# Altium PCB PCB1.PcbDoc
Units mil, origin at the board's own origin, x right, y up, seen from the top; angles counter-clockwise.
Board outline 3947.44 x 2963.17 mil, 2 copper layers (Top Layer, Bottom Layer); 30 components, 39 nets, 144 pads, 8 vias.
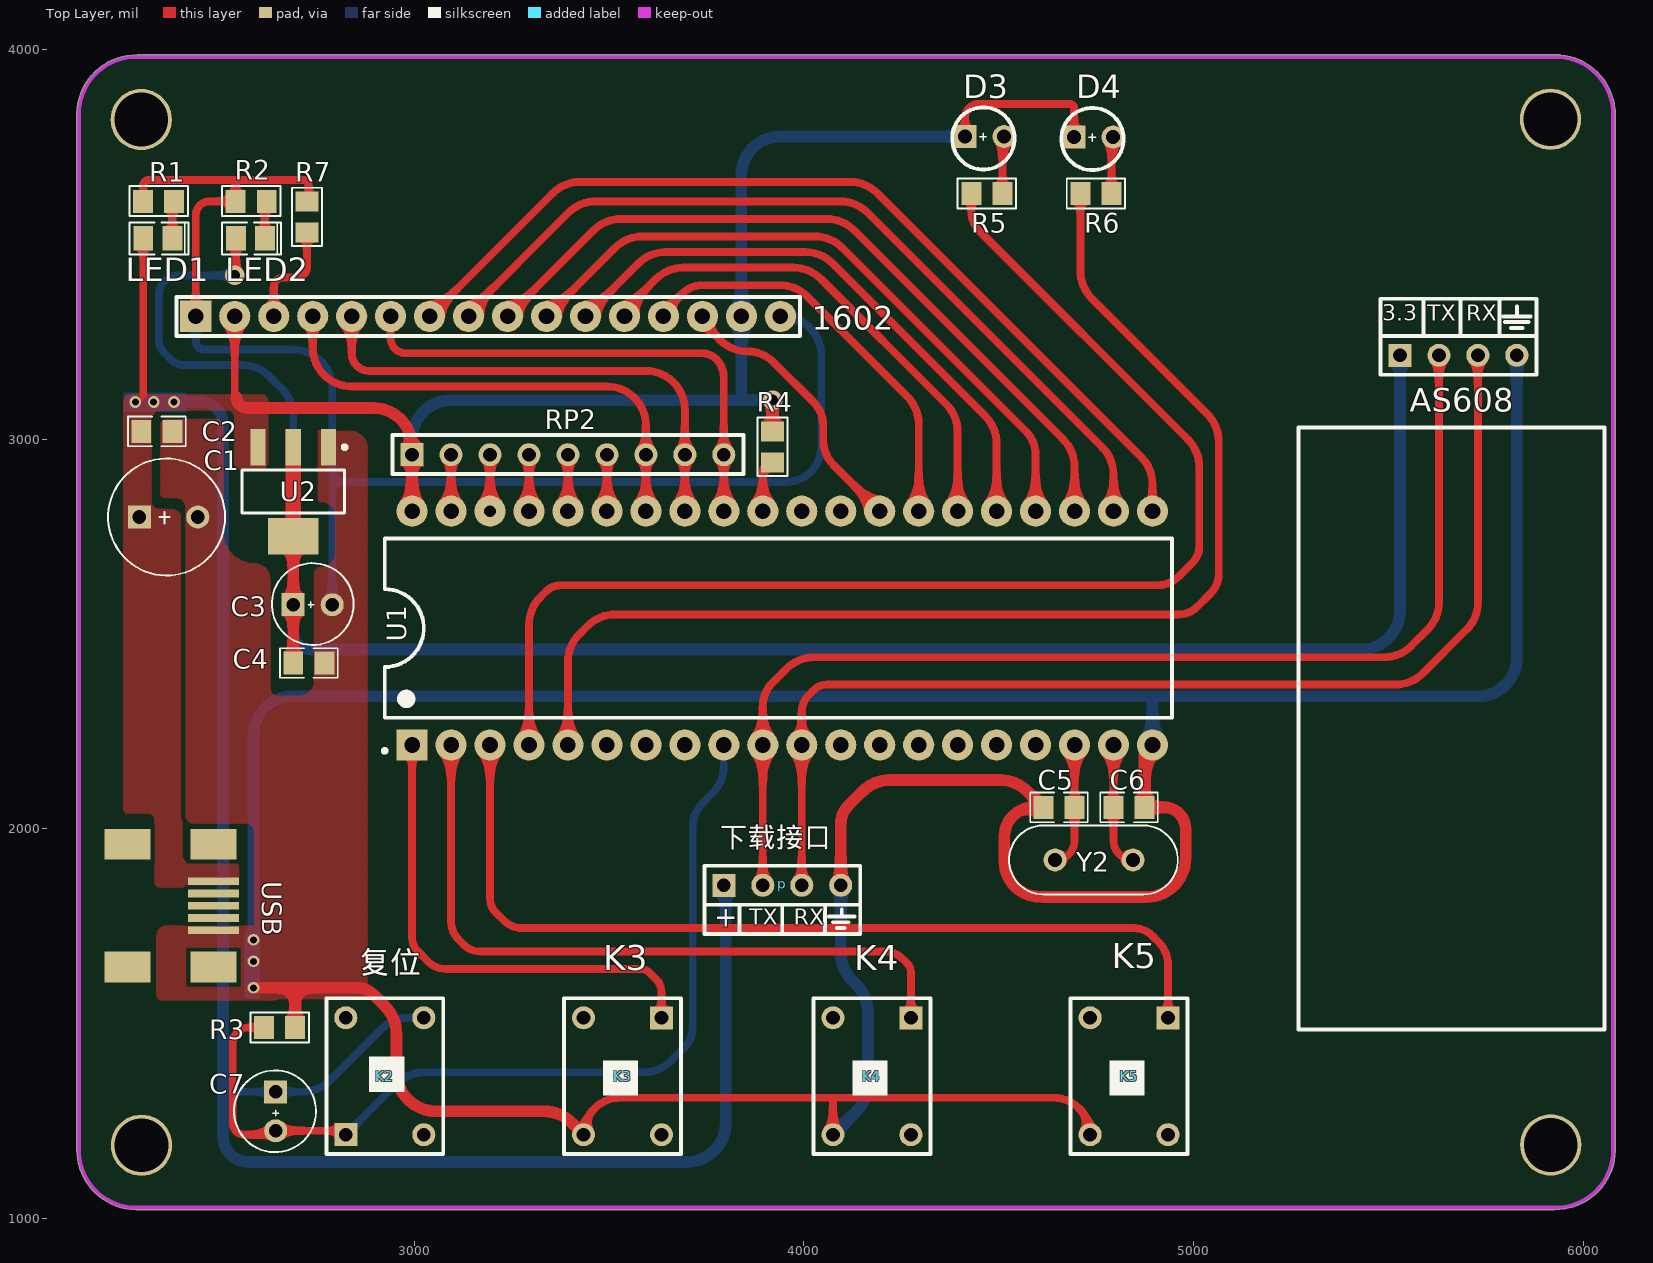
[diagram p0: Top Layer view]
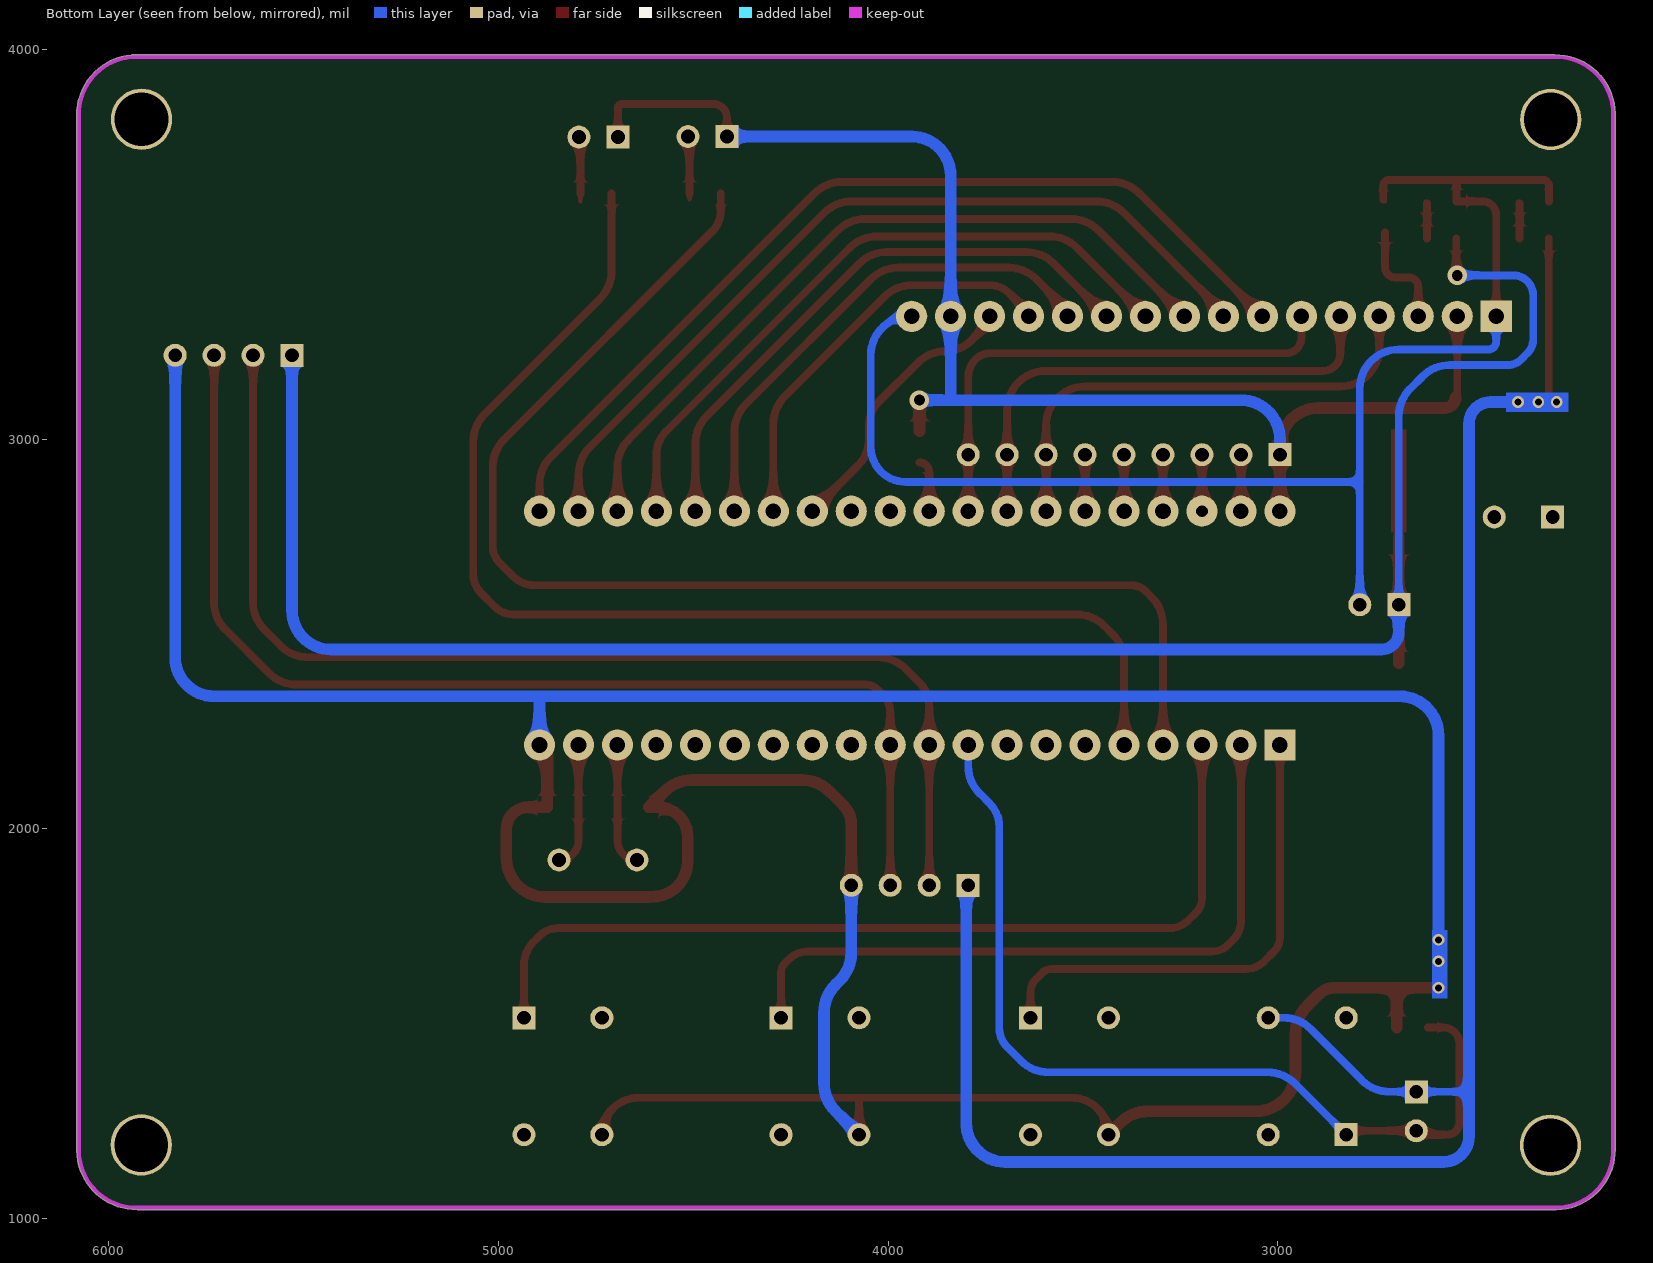
[diagram p1: Bottom Layer view, seen from below]
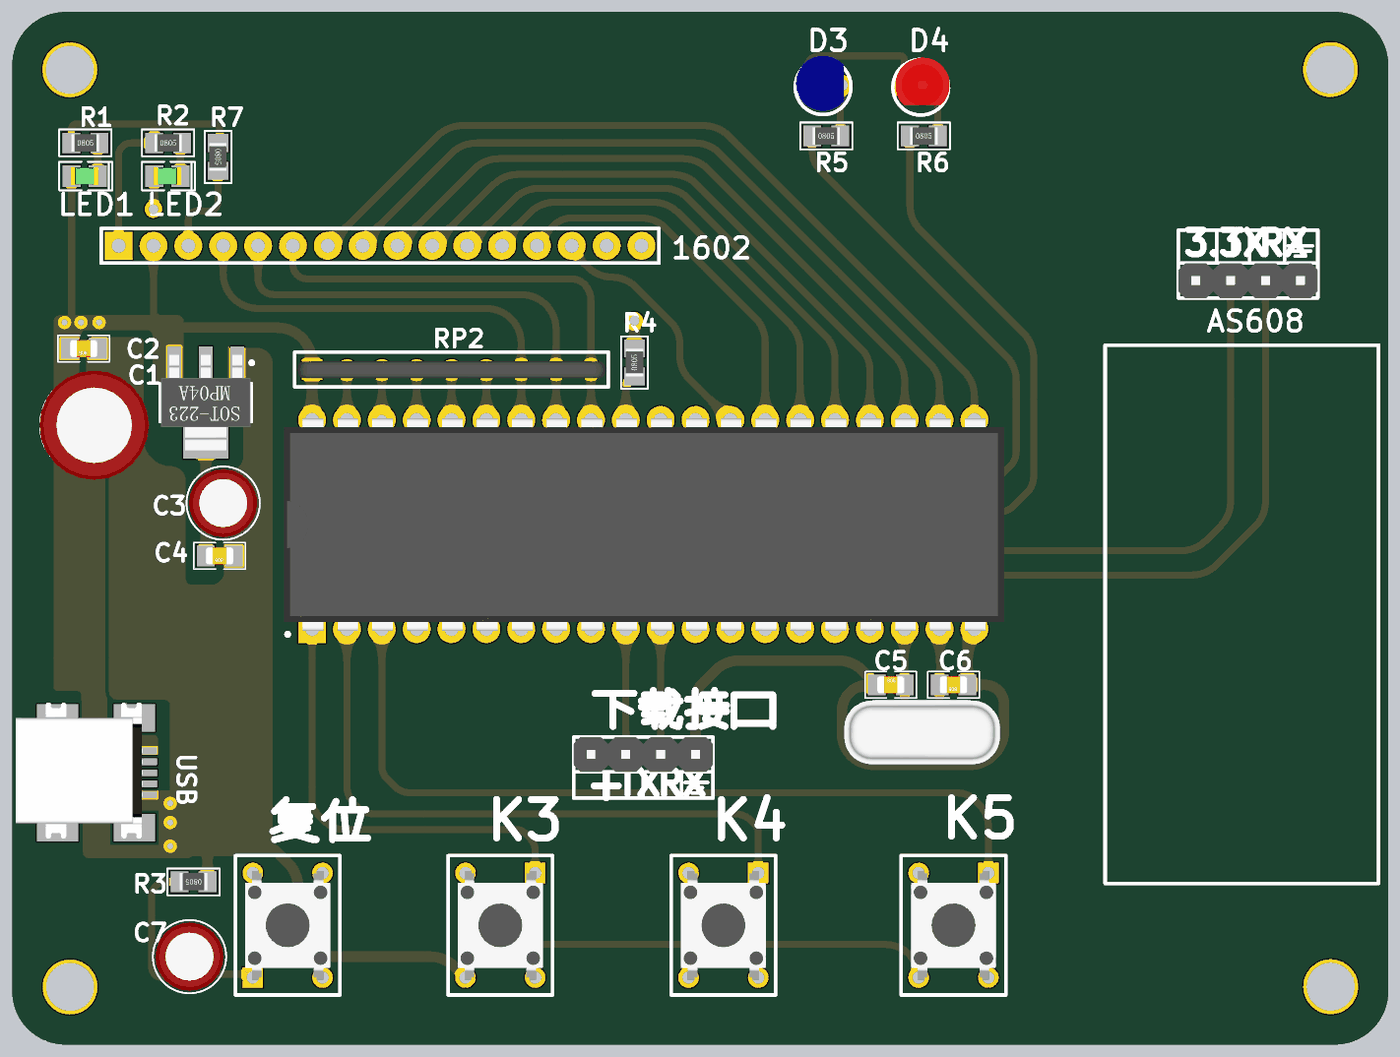
[diagram p2: 3D render of the assembled board from above, using the file's embedded part models]

## Layer stack, top to bottom
Top Solder: solder mask 0.4, Solder Resist, Dk 3.5
Top Layer: signal copper 1.4
Dielectric 1: dielectric 12.6, FR-4, Dk 4.8
Bottom Layer: signal copper 1.4
Bottom Solder: solder mask 0.4, Solder Resist, Dk 3.5

## Board outline
2285.67,1022.78 ccw(c2285.74,1027.8) 2287.13,1022.98 5925.62,1022.98 ccw(c5927,1027.8) 5926.93,1022.78 ccw(c5929.13,1175.87) 6082.22,1173.66 ccw(c6077.2,1173.74) 6082.22,1173.74 ccw(c6077.2,1173.74) 6082.02,1175.12 6082.02,3829.36 ccw(c6077.2,3830.74) 6082.22,3830.67 ccw(c5929.13,3832.87) 6082.23,3832.87 ccw(c5929.13,3832.87) 6082.02,3840.88 6082.02,3845 ccw(c6077.01,3845) 6081.57,3847.08 ccw(c5929.13,3832.87) 5941.74,3985.45 ccw(c5940,3980.75) 5940,3985.76 5937.14,3985.76 ccw(c5929.13,3832.87) 5931.34,3985.96 ccw(c5931.26,3980.94) 5929.88,3985.76 2291.39,3985.76 ccw(c2290,3980.94) 2290.08,3985.96 ccw(c2287.87,3832.87) 2134.79,3835.08 ccw(c2139.81,3835) 2134.99,3833.62 2134.99,1179.38 ccw(c2139.81,1178) 2134.79,1178.07 ccw(c2287.87,1175.87)

## Design rules (kind name [scope] priority, off if disabled: settings)
Clearance [All] p1: gap=10
PlaneConnect [All] p1: planeconnectstyle=Direct reliefexpansion=20 reliefentries=4 reliefconductorwidth=10 reliefairgap=10
PolygonConnect [All] p1: connectstyle=Direct reliefconductorwidth=10 reliefentries=4 polygonreliefangle="90 Angle" airgapwidth=10
RoutingVias [All] p1: holewidth=28 width=50 viastyle="Through Hole" minholewidth=28 minwidth=50 maxholewidth=28 maxwidth=50
SolderMaskExpansion [All] p1: expansion=4
Width [All] p1: maxlimit=30 minlimit=4 preferedwidth=20
29 further rules are at their usual default settings.

## Components (designator, comment, footprint, x,y, rotation, side; value= is the part's Value field where it differs from the comment)
1602 "H16X1" H2.54-1X16 2990,3315 r0 top
AS608 "H4X1" H2.54-1X4 5680,3215 r0 top (schematic designator FPM10A)
C1 "220uF/35V" "CAP POL [25V]" 2370,2800 r0 top
C2 "Cap" CAP[0805] 2340,3020 r180 top
C3 "Cap Pol" "CAP POL [16V]"#1 2740,2575 r0 top
C4 "Cap" CAP[0805] 2730,2425 r180 top
C5 "Cap" CAP[0805] 4655,2055 r0 top
C6 "Cap" CAP[0805] 4835,2055 r180 top
C7 "Cap" "CAP POL [16V]"#2 2645,1275 r90 top
D3 "LED_BLUE" LED_BLUE 4463.97,3776.33 r0 top
D4 "LED_RED" LED_RED 4740.97,3775 r0 top
K2 "KEY-4" KEY-4 2925,1365 r90 top
K3 "KEY-4" KEY-4 3535,1365 r270 top
K4 "KEY-4" KEY-4 4175,1365 r270 top
K5 "KEY-4" KEY-4 4835,1365 r270 top
LED1 "LED_RED" LED[0805] 2342.6,3515 r180 top
LED2 "LED_RED" LED[0805] 2580,3515 r180 top
p "H4X1" H2.54-1X4 3945,1855 r0 top (schematic designator P2)
R1 "Res1" RES[0805] 2344.6,3610 r0 top
R2 "Res1" RES[0805] 2582,3610 r0 top
R3 "Res2" RES[0805] 2655,1490 r180 top
R4 "Res1" RES[0805] 3920,2980 r90 top
R5 "Res2" RES[0805] 4470,3630 r0 top
R6 "Res2" RES[0805] 4750,3630 r0 top
R7 "Res2" RES[0805] 2725,3570 r270 top
RP2 "" RES-PACK 3395,2960 r0 top
U1 "STC89C52RC" STC89C52RC 3945,2515 r90 top
U2 "AMS1117-3.3" SOT-223(AMS1117-3.3) 2690,2865 r180 top
USB "USB_micro" "USB B mini 5pin" 2485.47,1645.04 r270 top (schematic designator P1)
Y2 "XTAL 12M" XTAL 4745,1920 r180 top

## Footprints (in the part's own frame and the unit in brackets; to place one, negate y for a bottom-side part, rotate by r counter-clockwise, add the part's x,y. Pads: shape width x height; smd on the part's side, far side on the other; paste and mask are expansions set on the pad)
"CAP POL [16V]"#1 [mm]
  rect 1.5x1.5 hole 0.9: 1(-1.27,0)
  round 1.5 hole 0.9: 2(1.27,0)
  silkscreen extent -2.66,-2.63 2.67,2.71, body extent -2.49,-2.46 2.49,2.54, height 11
"CAP POL [16V]"#2 [mm]
  round 1.5 hole 0.9: 1(-1.27,0)
  rect 1.5x1.5 hole 0.9: 2(1.27,0)
  silkscreen extent -2.67,-2.63 2.67,2.7, body extent -2.49,-2.46 2.49,2.54, height 11
"CAP POL [25V]" [mm]
  rect 1.5x1.5 hole 0.9: 1(-1.905,0)
  round 1.5 hole 0.9: 2(1.905,0)
  silkscreen extent -3.93,-3.81 3.68,3.81, body extent -4,-4 4,4, height 12
CAP[0805] [mm]
  rect 1.3x1.5 smd: 1(-1.016,0) 2(1.016,0)
  silkscreen extent -1.88,-0.97 1.88,0.97, body extent -1,-0.62 1,0.63, height 0.78
H2.54-1X4 [mm]
  rect 1.5x1.5 hole 0.9: 1(-3.81,0)
  round 1.5 hole 0.9: 2(-1.27,0) 3(1.27,0) 4(3.81,0)
  silkscreen extent -5.08,-1.27 5.08,1.27, body extent -5.08,-1.27 5.08,1.27, height 8.54
H2.54-1X16 [mil]
  rect 80x80 hole 40: 1(-550,0)
  round 80 hole 40: 2(-450,0) 3(-350,0) 4(-250,0) 5(-150,0) 6(-50,0) 7(50,0) 8(150,0) 9(250,0) 10(350,0) 11(450,0) 12(550,0) 13(650,0) 14(750,0) 15(850,0) 16(950,0)
  silkscreen extent -600,-50 1000,50
KEY-4 [mm]
  rect 1.5x1.5 hole 0.9: 1(-3.81,2.54)
  round 1.5 hole 0.9: 2(3.81,2.54) 3(3.81,-2.54) 4(-3.81,-2.54)
  silkscreen extent -5.08,-3.81 5.08,3.81, body extent -3.96,-3.1 3.96,3.1, height 5.27
LED[0805] [mm]
  rect 1.3x1.6 smd: 1(0.95,0) 2(-0.95,0)
  silkscreen extent -2.01,-1.04 1.85,1.04, body extent -1.02,-0.63 1.02,0.63, height 1.1
LED_BLUE [mm]
  rect 1.5x1.5 hole 0.9: 1(-1.27,0)
  round 1.5 hole 0.9: 2(1.27,0)
  silkscreen extent -2.11,-2.16 1.95,1.9, body extent -2.08,-1.87 1.44,2.13, height 5.2
LED_RED [mm]
  rect 1.5x1.5 hole 0.9: 1(-1.194,0)
  round 1.5 hole 0.9: 2(1.346,0)
  silkscreen extent -2.03,-2.16 2.03,1.9, body extent -1.87,-1.46 2.12,2.03, height 5.38
RES-PACK [mm]
  rect 1.5x1.5 hole 0.9: 1(-10.16,0)
  round 1.5 hole 0.9: 2(-7.62,0) 3(-5.08,0) 4(-2.54,0) 5(0,0) 6(2.54,0) 7(5.08,0) 8(7.62,0) 9(10.16,0)
  silkscreen extent -11.43,-1.27 11.43,1.27, body extent -11.25,-0.64 11.25,0.61, height 5.3
RES[0805] [mm]
  rect 1.3x1.5 smd: 1(-1.016,0) 2(1.016,0)
  silkscreen extent -1.91,-0.97 1.91,0.99, body extent -1,-0.63 1,0.63, height 0.55
SOT-223(AMS1117-3.3) [mm]
  rect 1x2.4 smd: 1(-2.3,-2.9) 2(0,-2.9) 3(2.3,-2.9)
  rect 3.3x2.4 smd: 4(0,2.9)
  silkscreen extent -3.48,-3.02 3.35,1.4, body extent -3.25,-3.48 3.25,3.48, height 1.7
STC89C52RC [mil]
  rect 80x80 hole 40: 1(-300,950)
  round 80 hole 40: 2(-300,850) 3(-300,750) 4(-300,650) 5(-300,550) 6(-300,450) 7(-300,350) 8(-300,250) 9(-300,150) 10(-300,50) 11(-300,-50) 12(-300,-150) 13(-300,-250) 14(-300,-350) 15(-300,-450) 16(-300,-550) 17(-300,-650) 18(-300,-750) 19(-300,-850) 20(-300,-950) 21(300,-950) 22(300,-850) 23(300,-750) 24(300,-650) 25(300,-550) 26(300,-450) 27(300,-350) 28(300,-250) 29(300,-150) 30(300,-50) 31(300,50) 32(300,150) 33(300,250) 34(300,350) 35(300,450) 36(300,550) 37(300,650) 39(300,850) 40(300,950)
  round 80 hole 30: 38(300,750)
  silkscreen extent -320,-1000 230,1025, body extent -305,-1035 305,1030, height 224
"USB B mini 5pin" [mm]
  rect 0.5x3.3 smd: 1(-5.6,0) 2(-4.8,0) 3(-4,0) 4(-3.2,0) 5(-2.4,0)
  rect 2x3 smd: 6(-8,0) 7(0,0) 8(-8,-5.6) 8(0,-5.6)
  body extent -9.12,-8.66 0.78,0.59, height 3.93
XTAL [mm]
  round 1.5 hole 0.9: 1(-2.54,0) 2(2.54,0)
  silkscreen extent -5.46,-2.25 5.54,2.25, body extent -5.68,-2.29 5.67,2.36, height 5.53

## Part data
C1: library part "Cap Pol [220uF/35V]"
C7: "Capacitor"
D4 LED1 LED2: "LED1"
K2 K3 K4 K5: "4脚直插"
R3: "Resistor"
RP2: library part Res-Pack, "Res-Pack"
Y2: library part XTAL, "XTAL"

## Free pads (board coordinates)
  round 157.48 hole 137.8: 0(2300,3820) 0(2300.75,1187.99) 0(5916.26,3820.75) 0(5917.01,1188.74)

## Via types
v1: diameter 30, hole 18, Top Layer to Bottom Layer, 6 vias
v2: diameter 50, hole 28, Top Layer to Bottom Layer, 2 vias

## Nets (pads, with @x,y where several pads share a name; then routed paths per layer and width w, separated by ;. In a path a pad name is that pad's centre, name@x,y a point inside that pad or via, vN(x,y) a via of type N, cw(c..) or ccw(c..) an arc to the next point about the centre after c; other vN are vias at no path point)
3.3V: AS608.1 C3.1 C4.2 LED2.1 U2.2 U2.4 | length 5340.6
  Top Layer w20: v2(2540,3420) 2542.6,3422.6 LED2.1
  Top Layer w30: C4.2 C3.1 U2.4
  Bottom Layer w20: v2(2540,3420) 2396.21,3420 ccw(c2396.21,3368.79) 2360.01,3405.01 ccw(c2396.21,3368.79) 2345,3368.79 2345,3256.21 ccw(c2396.21,3256.21) 2359.99,3220.01 2375,3205 ccw(c2411.21,3241.21) 2411.21,3190 2558.58,3190 cw(c2558.58,3090) 2629.29,3160.71 2660.71,3129.29 cw(c2590,3058.58) 2690,3058.58 C3.1
  Bottom Layer w30: C3.1 2690,2505 ccw(c2735,2505) 2735,2460 5430,2460 ccw(c5430,2560) 5530,2560 AS608.1
5V: 1602.2 1602.15 C1.1 C2.2 C7.2 D3.1 D4.1 K2.3 LED1.1 p.1 R4.2 RP2.1 U1.40 U2.3 USB.1 | length 8653.5
  Top Layer w10: v1(2285,3095) ccw(c2285,3115.2) 2305.2,3115.2
  Top Layer w20: 2305.2,3115.2 LED1.1 ; 2540,3100 1602.2 ; D3.1 4413.97,3823.97 cw(c4450,3823.97) 4450,3860 4682.94,3860 cw(c4682.94,3848.97) 4693.97,3848.97 D4.1
  Top Layer w30: 2544,3108 ccw(c2572,3108) 2572,3080 2895,3080 cw(c2895,2980) 2995,2980 RP2.1 U1.40 ; v2@3915,3105 cw(c3915,3100) v2(3920,3100) R4.2
  Bottom Layer w20: 2510,1325 C7.2 2713.58,1325 ccw(c2713.58,1425) 2784.29,1354.29 2916.72,1486.72 cw(c2985,1418.43) 2985,1515 K2.3 ; p.1 cw(c3795,1850) p.1@3800,1850
  Bottom Layer w30: v1(2384,3095) 2454.09,3095 cw(c2454.09,3039.09) 2510,3039.09 2510,1325 2510,1210 ccw(c2575,1210) 2575,1145 3700,1145 ccw(c3700,1245) 3800,1245 p.1@3800,1850 ; RP2.1 2995,3000 cw(c3095,3000) 3095,3100 3835,3100 ; v2(3920,3100) 3835,3100 ; D3.1 3940,3776.33 ccw(c3940,3676.33) 3840,3676.33 1602.15 3840,3105 cw(c3835,3105) 3835,3100
  other v1: 2332,3095
BEEP: U1.6
BLUE: R5.1 U1.4 | length 3278.4
  Top Layer w20: U1.4 3295,2523.58 cw(c3395,2523.58) 3324.29,2594.29 3339.64,2609.64 cw(c3376.72,2572.57) 3376.72,2625 4908.18,2625 ccw(c4908.18,2701.82) 4962.49,2647.49 4997.5,2682.5 ; R5.1 4430,3585 ccw(c4502.43,3585) 4451.21,3533.79 4985.71,2999.29 cw(c4915,2928.58) 5015,2928.58 5015,2724.75 cw(c4955.25,2724.75) 4997.53,2682.53
GND: 1602.1 1602.16 AS608.4 C1.2 C2.1 C3.2 C4.1 C5.1 C6.1 K3.3 K4.3 K5.3 p.4 R1.1 R2.1 R3.1 R7.1 U1.20 U2.1 USB.5 | length 13800.9
  Top Layer w10: 2540,3665 cw(c2540,3663) 2542,3663 ; R7.1 ccw(c2725,3615) R7.1@2730,3615
  Top Layer w20: R1.1 2304.6,3649.6 cw(c2320,3649.6) 2320,3665 2540,3665 2715,3665 cw(c2715,3650) 2730,3650 R7.1@2730,3615 ; 1602.1 2440,3575 cw(c2475,3575) 2475,3610 R2.1 2542,3663 ; K3.3 cw(c3530,1215) 3530,1310 4070,1310 ; K4.3 4075,1305 ccw(c4070,1305) 4070,1310 ; 4605.58,1825.49 ccw(c4615,1915) 4615,1825 ; K5.3 ccw(c4640,1215) 4640,1310 4070,1310
  Top Layer w30: v1(2588,1592) 2695,1592 ; R3.1 2695,1592 ; K3.3 3404.29,1245.71 ccw(c3333.58,1175) 3333.58,1275 3056.42,1275 cw(c3056.42,1375) 2985.71,1304.29 2984.29,1305.71 cw(c3055,1376.42) 2955,1376.42 2955,1473.58 ccw(c2855,1473.58) 2925.71,1544.29 2895,1575 ccw(c2853.96,1533.96) 2853.96,1592 2695,1592 ; p.4 4095,2011.72 cw(c4163.28,2011.72) 4115,2060 4150.71,2095.71 cw(c4221.42,2025) 4221.42,2125 4503.58,2125 cw(c4503.58,2025) 4574.29,2095.71 C5.1 4590,2055 ccw(c4590,1980) 4515,1980 4515,1916.07 ccw(c4605.58,1916.07) 4605.58,1825.49 ; 4615,1825 4880,1825 ccw(c4880,1925) 4980,1925 4980,2000 ccw(c4925,2000) 4925,2055 C6.1 4875,2195 cw(c4895,2195) U1.20
  Bottom Layer w20: 1602.1 2440,3250 ccw(c2460,3250) 2460,3230 2690,3230 cw(c2690,3130) 2790,3130 2790,2890 ; C3.2 2790,2890 ; 1602.16 3945,3315 cw(c3945,3215) 4045,3215 4045,2980 cw(c3955,2980) 3955,2890 2790,2890
  Bottom Layer w30: v1(2588,1715) 2588,2240 cw(c2688,2240) 2688,2340 4890,2340 ; K4.3 4135.71,1275.71 ccw(c4065,1346.42) 4165,1346.42 4165,1528.58 ccw(c4065,1528.58) 4135.71,1599.29 4124.29,1610.71 cw(c4195,1681.42) 4095,1681.42 p.4 ; U1.20 4895,2335 ccw(c4890,2335) 4890,2340 ; AS608.4 5830,2440 cw(c5730,2440) 5730,2340 4890,2340
  other v1: 2588,1660
Net1602_3: 1602.3 R7.2 | length 278.5
  Top Layer w20: 1602.3 2640,3390 cw(c2665,3390) 2665,3415 2700,3415 ccw(c2700,3440) 2725,3440 R7.2
NetD3_2: D3.2 R5.2 | length 163.6
  Top Layer w10: R5.2@4510,3615 R5.2 ; D3.2@4510,3772.36 cw(c4513.97,3772.36) D3.2
  Top Layer w20: R5.2 D3.2@4510,3772.36
NetD4_2: D4.2 R6.2 | length 167.3
  Top Layer w10: R6.2@4790,3610 R6.2 ; D4.2@4790,3771.03 cw(c4793.97,3771.03) D4.2
  Top Layer w20: R6.2 D4.2@4790,3771.03
NetLED1_2: LED1.2 R1.2 | length 97.6
  Top Layer w10: R1.2@2380,3605.4 cw(c2384.6,3605.4) R1.2
  Top Layer w20: LED1.2 R1.2@2380,3605.4
NetLED2_2: LED2.2 R2.2 | length 97.6
  Top Layer w10: R2.2@2617.4,3605.4 cw(c2622,3605.4) R2.2
  Top Layer w20: LED2.2 R2.2@2617.4,3605.4
NetLS1_1: 
NetP1_1: 
NetQ1_2: 
NetR4_1: R4.1 U1.31 | length 139.3
  Top Layer w20: U1.31 3895,2915 cw(c3920,2915) R4.1
NetRP2_2: RP2.2 U1.39 | length 145
  Top Layer w20: U1.39 RP2.2
NetRP2_3: RP2.3 U1.38 | length 145
  Top Layer w20: U1.38 RP2.3
NetRP2_4: RP2.4 U1.37 | length 145
  Top Layer w20: U1.37 RP2.4
NetRP2_5: RP2.5 U1.36 | length 145
  Top Layer w20: U1.36 RP2.5
NetRP2_6: RP2.6 U1.35 | length 145
  Top Layer w20: U1.35 RP2.6
"P05         4": 1602.4 RP2.7 U1.34 | length 1269.2
  Top Layer w20: 1602.4 2740,3235 ccw(c2840,3235) 2840,3135 3495,3135 cw(c3495,3035) 3595,3035 RP2.7 U1.34
"P06         5": 1602.5 RP2.8 U1.33 | length 1292.8
  Top Layer w20: 1602.5 2840,3220 ccw(c2885,3220) 2885,3175 3595,3175 cw(c3595,3075) 3695,3075 RP2.8 U1.33
"P07         6": 1602.6 RP2.9 U1.32 | length 1312.7
  Top Layer w20: 1602.6 2940,3260 ccw(c2980,3260) 2980,3220 3740,3220 cw(c3740,3170) 3775.36,3205.36 cw(c3727.93,3157.93) 3795,3157.93 RP2.9 U1.32
P10: K3.1 U1.1 | length 1272.7
  Top Layer w20: U1.1 2995,1721.21 ccw(c3046.21,1721.21) 3009.99,1685.01 3035,1660 ccw(c3083.28,1708.28) 3083.28,1640 3580.86,1640 cw(c3580.86,1605.86) 3604.98,1630.02 3620.86,1614.14 ; 3620.88,1614.12 cw(c3586.72,1580) 3635,1580 K3.1
P11: K4.1 U1.2 | length 1817.3
  Top Layer w20: U1.2 3095,1763.28 ccw(c3163.28,1763.28) 3115,1715 3127.32,1702.68 ccw(c3170,1745.36) 3170,1685 4206.72,1685 cw(c4206.72,1616.72) 4255,1665 4265,1655 cw(c4240.86,1630.86) 4275,1630.86 K4.1
P12: K5.1 U1.3 | length 2360.9
  Top Layer w20: U1.3 3195,1821.21 ccw(c3246.21,1821.21) 3209.99,1785.01 3230,1765 ccw(c3278.28,1813.28) 3278.28,1745 4846.72,1745 cw(c4846.72,1676.72) 4895,1725 4910,1710 cw(c4849.64,1649.64) 4910.04,1709.96 cw(c4849.64,1649.64) 4935,1649.64 K5.1
"P20         7": 1602.7 U1.21 | length 2399.4
  Top Layer w20: 1602.7 3355.71,3630.71 cw(c3426.42,3560) 3426.42,3660 4118.58,3660 cw(c4118.58,3560) 4189.29,3630.71 4865.71,2954.29 cw(c4795,2883.58) 4895,2883.58 U1.21
"P21         8": 1602.8 U1.22 | length 2178.5
  Top Layer w20: 1602.8 3140,3325 3395.71,3580.71 cw(c3466.42,3510) 3466.42,3610 4093.58,3610 cw(c4093.58,3510) 4164.29,3580.71 4765.71,2979.29 cw(c4695,2908.58) 4795,2908.58 U1.22
"P22         9": 1602.9 U1.23 | length 1947.1
  Top Layer w20: 1602.9 3460.71,3535.71 cw(c3531.42,3465) 3531.42,3565 4058.58,3565 cw(c4058.58,3465) 4129.29,3535.71 4665.71,2999.29 cw(c4595,2928.58) 4695,2928.58 U1.23
"P23        10": 1602.10 U1.24 | length 1725.1
  Top Layer w20: 1602.10 3515.71,3490.71 cw(c3586.42,3420) 3586.42,3520 4028.58,3520 cw(c4028.58,3420) 4099.29,3490.71 4570,3020 cw(c4509.64,2959.64) 4570.04,3019.96 cw(c4509.64,2959.64) 4595,2959.64 U1.24
"P24        11": 1602.11 U1.25 | length 1511.8
  Top Layer w20: 1602.11 3575.71,3450.71 cw(c3646.42,3380) 3646.42,3480 4003.58,3480 cw(c4003.58,3380) 4074.29,3450.71 4465.71,3059.29 cw(c4395,2988.58) 4495,2988.58 U1.25
"P25         12": 1602.12 U1.26 | length 1305.1
  Top Layer w20: 1602.12 3540,3330 3620.71,3410.71 cw(c3691.42,3340) 3691.42,3440 3973.58,3440 cw(c3973.58,3340) 4044.29,3410.71 4365.71,3089.29 cw(c4295,3018.58) 4395,3018.58 U1.26
"P26        13": 1602.13 U1.27 | length 1077.7
  Top Layer w20: 1602.13 3640,3325 3688.79,3373.79 cw(c3740,3322.57) 3740,3395 3938.58,3395 cw(c3938.58,3295) 4009.29,3365.71 4265.71,3109.29 cw(c4195,3038.58) 4295,3038.58 U1.27
"P27        14": 1602.14 U1.28 | length 719.5
  Top Layer w20: 1602.14 3740,3300 3786.72,3253.28 ccw(c3855,3321.57) 3855,3225 cw(c3855,3128.43) 3923.28,3196.72 4025,3095 cw(c3964.64,3034.64) 4025.04,3094.96 cw(c3964.64,3034.64) 4050,3034.64 4050,2997.32 ccw(c4140.1,2997.32) 4076.39,2933.61 U1.28
RED: R6.1 U1.5 | length 3118.3
  Top Layer w20: U1.5 3395,2430 cw(c3491.57,2430) 3423.28,2498.28 3445.71,2520.71 cw(c3516.42,2450) 3516.42,2550 4961.72,2550 ccw(c4961.72,2618.28) 5010,2570 5045,2605 ccw(c4996.72,2653.28) 5065,2653.28 5065,2993.58 ccw(c4965,2993.58) 5035.71,3064.29 4739.29,3360.71 cw(c4810,3431.42) 4710,3431.42 R6.1
RST: C7.1 K2.1 R3.2 U1.9 | length 2386.5
  Top Layer w20: R3.2 2575,1490 ccw(c2575,1450) 2535,1450 2535,1245 ccw(c2565,1245) 2565,1215 2635,1215 ccw(c2635,1225) C7.1 2815,1225 cw(c2815,1215) K2.1
  Bottom Layer w20: K2.1 2955.71,1345.71 cw(c3026.42,1275) 3026.42,1375 3588.58,1375 ccw(c3588.58,1475) 3659.29,1404.29 3695,1440 ccw(c3646.72,1488.28) 3715,1488.28 3715,2005 cw(c3799.5,2005) 3739.72,2064.72 ; 3739.75,2064.75 3765.71,2090.71 ccw(c3695,2161.42) 3795,2161.42 U1.9
RX: AS608.2 p.2 U1.10 | length 2967.2
  Top Layer w20: p.2 U1.10 3895,2315 cw(c3979.5,2315) 3919.72,2374.72 ; 3919.75,2374.75 3955.71,2410.71 cw(c4026.42,2340) 4026.42,2440 5488.58,2440 ccw(c5488.58,2540) 5559.29,2469.29 5600.71,2510.71 ccw(c5530,2581.42) 5630,2581.42 AS608.2
TX: AS608.3 p.3 U1.11 | length 2956
  Top Layer w20: p.3 U1.11 3995,2300 cw(c4055.36,2300) 4012.68,2342.68 4026.34,2356.34 cw(c4059.32,2323.36) 4059.32,2370 5518.58,2370 ccw(c5518.58,2470) 5589.29,2399.29 5701.72,2511.72 ccw(c5633.43,2580) 5730,2580 AS608.3
X1: C5.2 U1.18 Y2.2 | length 323.5
  Top Layer w20: Y2.2 ccw(c4645,1970) 4695,1970 C5.2 U1.18
X2: C6.2 U1.19 Y2.1 | length 323.5
  Top Layer w20: U1.19 C6.2 4795,1970 ccw(c4845,1970) Y2.1
pads on no net: K2.2 K2.4 K3.2 K3.4 K4.2 K4.4 K5.2 K5.4 U1.7 U1.8 U1.12 U1.13 U1.14 U1.15 U1.16 U1.17 U1.29 U1.30 USB.2 USB.3 USB.4 USB.6 USB.7 USB.8

## Polygon pours and split planes (outlines as drawn)
5V on Top Layer "Top Layer-No Net 1" (hatched 90Degree grid 4 track 5, remove dead copper, pour order 18): 2540,2980 2540,2941 ccw(c2556,2941) 2556,2925 2609.36,2925 ccw(c2609.36,2940) 2624.36,2940 2624.36,3097.32 ccw(c2608,3097.32) 2608,3113.69 2272.69,3113.69 ccw(c2272.69,3097) 2256,3097 2256,2049 ccw(c2265,2049) 2265,2040 2320,2040 cw(c2320,2025) 2335,2025 2335,1865 ccw(c2350,1865) 2350,1850 2545,1850 ccw(c2545,1855) 2550,1855 2550,1900 ccw(c2540,1900) 2540,1910 2470,1910 2425,1910 cw(c2425,1930) 2405,1930 2405,2788.23 ccw(c2373.23,2788.23) 2373.23,2820 2345,2820 cw(c2345,2840) 2325,2840 2325,3056.86 cw(c2332.14,3056.86) 2332.14,3064 cw(c2343.14,3064) 2343.14,3075 2508,3075 2521,3075 cw(c2521,3056) 2540,3056
GND on Top Layer "Top Layer-No Net 1" (hatched 90Degree grid 4 track 5, remove dead copper, pour order 12): 2495,3050 2365,3050 ccw(c2365,3035) 2350,3035 2350,2860 ccw(c2360,2860) 2360,2850 2390,2850 cw(c2390,2825) 2415,2825 2415,2035 ccw(c2435,2035) 2435,2015 2570,2015 cw(c2570,1995) 2590,1995 2590,1749 cw(c2565,1749) 2565,1724 ccw(c2565,1719) 2560,1719 2560,1572 ccw(c2572,1572) 2572,1560 2600,1560 2635,1560 ccw(c2635,1585) 2660,1585 2660,2150 cw(c2730,2150) 2730,2220 2835,2220 ccw(c2835,2265) 2880,2265 2880,2975 ccw(c2835,2975) 2835,3020 2760,3020 cw(c2760,3025) 2755,3025 2755,2845 ccw(c2760,2845) 2760,2840 cw(c2760,2800) 2800,2800 2800,2755 2800,2710 cw(c2760,2710) 2760,2670 ccw(c2760,2655) 2745,2655 2745,2430 2745,2380 cw(c2705,2380) 2705,2340 2650,2340 cw(c2650,2360) 2630,2360 2630,2640 ccw(c2590,2640) 2590,2680 cw(c2590,2760) 2510,2760 2510,3015 2510,3035 ccw(c2495,3035) 2495,3050
GND on Top Layer "Top Layer-No Net 1" (hatched 90Degree grid 4 track 5, remove dead copper, pour order 8): 2550,1750 2365,1750 ccw(c2365,1725) 2340,1725 2340,1575 ccw(c2355,1575) 2355,1560 2580,1560 ccw(c2580,1585) 2605,1585 2605,1725 ccw(c2580,1725) 2580,1750
GND on Top Layer "Top Layer-No Net 1" (hatched 90Degree grid 4 track 5, remove dead copper, pour order 16): 2720,2284 2859.99,2284 cw(c2859.99,2264) 2879.99,2264 2879.99,1589.99 cw(c2855,1589.99) 2855,1565 2597,1565 ccw(c2597,1560) 2592,1560 2592,2232 cw(c2620,2232) 2620,2260

## Keep-outs
Keep-Out Layer:
  lines w10: 2139.81,1178 ccw(c2287.87,1175.87) 2285.74,1027.8 ; 2139.81,3835 cw(c2287.87,3832.87) 2290,3980.94 ; 2140,1178 2140,3835 ; 2280,1027.99 5927,1027.99 ; 2290,3980.75 5940,3980.75 ; 5927,1027.8 ccw(c5929.13,1175.87) 6077.2,1173.74 ; 5931.26,3980.94 cw(c5929.13,3832.87) 6077.2,3830.74 ; 6077.01,1173.74 6077.01,3845

## Other copper
Top Layer:
  rectangle net 3.3V: 2670,2760 2710,3025
Bottom Layer:
  rectangle net GND: 2565,1565 2605,1740
  rectangle net 5V: 2255,3070 2415,3120

## Silkscreen, mask and mechanical layers (free items; w line width, h text height)
Top Overlay:
  lines w10: 3745,1805 3745,1730 4145,1730 4145,1805 ; 3835,1735 3835,1805 ; 3945,1730 3945,1805 ; 4055,1735 4055,1805 ; 4065,1775 4130,1775 ; 4075,1760 4115,1760 ; 4085,1745 4105,1745 ; 4097.5,1775 4097.5,1792.5 ; 5480,3255 5480,3360 5880,3360 5880,3355 5880,3240 ; 5590,3265 5590,3275 5590,3360 ; 5685,3265 5685,3360 ; 5785,3265 5785,3360 ; 5795,3315 5865,3315 ; 5800,3300 5860,3300 ; 5815,3285 5845,3285 ; 5830,3315 5830,3340 ; 5270,1485 5270,3030 6054.45,3030 6054.45,1485 5270,1485
  text "3.3" at 5485,3290 h70
  text "TX" at 5600,3290 h70
  text "RX" at 5700,3290 h70
  text "下载接口" at 3785,1935 h90
  text "TX" at 3860,1740 h70
  text "RX" at 3975,1740 h70
  text "+" at 3770,1730 h90
  text "K5" at 4790,1620 h110
  text "K3" at 3485,1615 h110
  text "K4" at 4130,1615 h110
  text "复位" at 2860,1610 h100